# Altium PCB 控制板.PcbDoc (part 6 of 12)
Units mil, origin at the board's own origin, x right, y up, seen from the top; angles counter-clockwise.
Board outline 8150.4 x 2246.9 mil, 6 copper layers (TopLayer, MidLayer1, MidLayer2, MidLayer3, MidLayer4, BottomLayer); 1570 components, 853 nets, 4888 pads, 1859 vias.
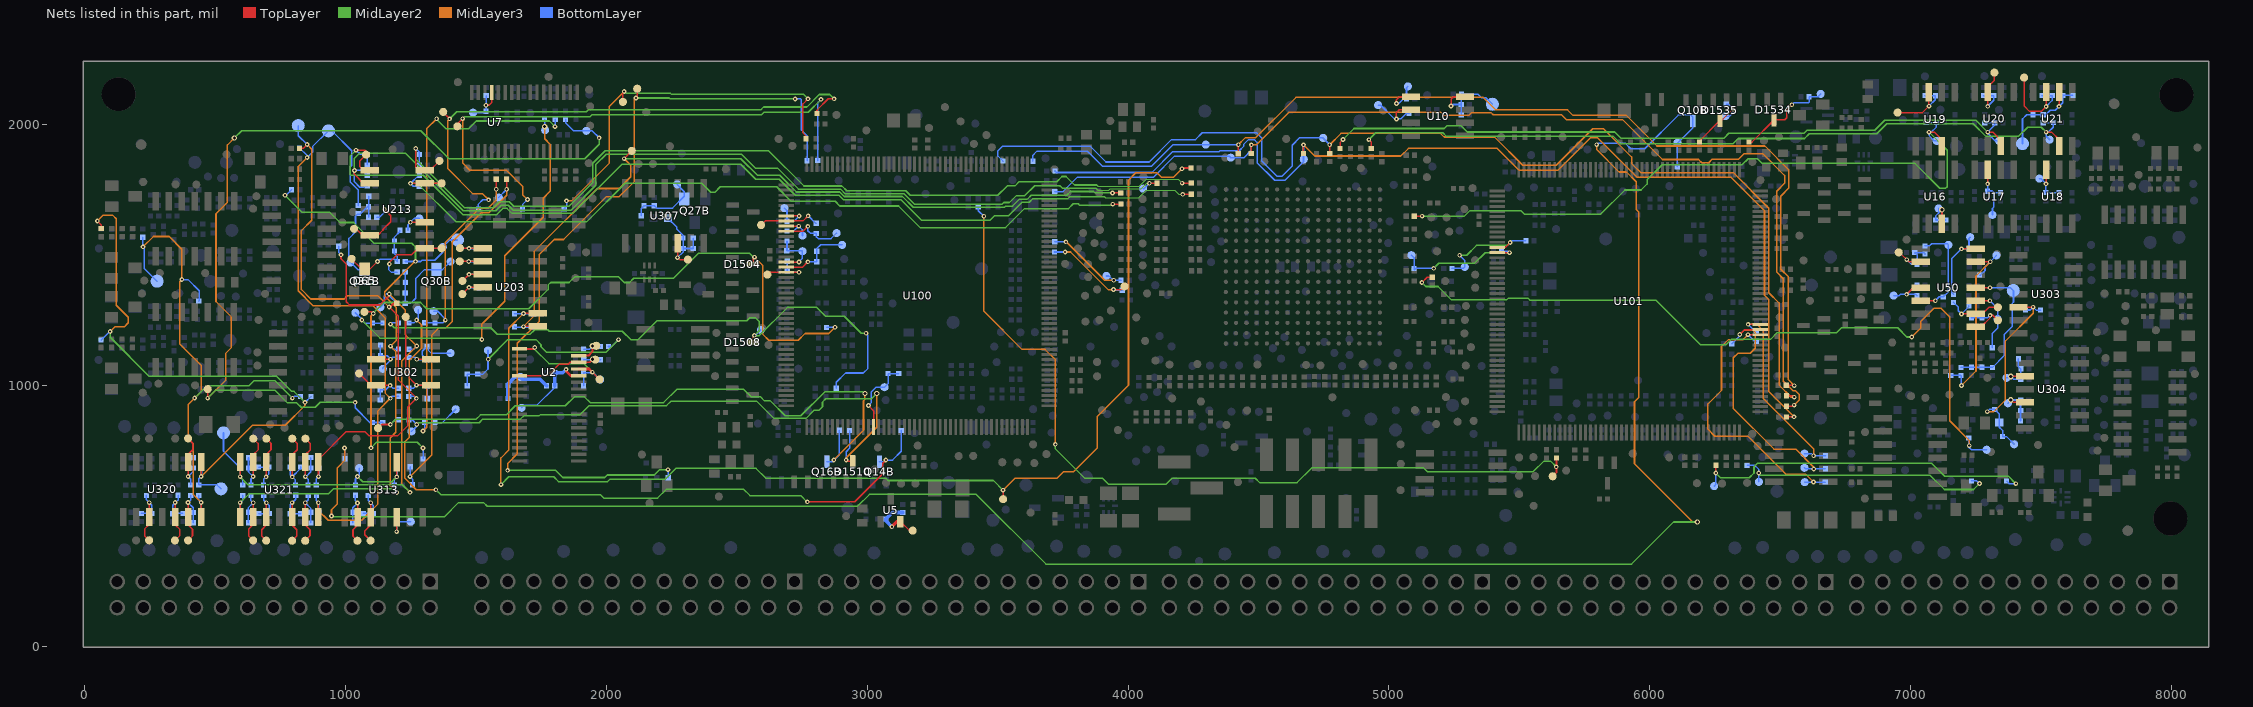
[diagram p10: the nets of this part, all layers, seen from the top]

## Via types
v1: diameter 18, hole 8, TopLayer to BottomLayer, tented both sides, 1737 vias
v2: diameter 20, hole 12, TopLayer to BottomLayer, tented both sides, 71 vias
v3: diameter 22, hole 12, TopLayer to BottomLayer, tented both sides, 51 vias

## Nets (pads, with @x,y where several pads share a name; then routed paths per layer and width w, separated by ;. In a path a pad name is that pad's centre, name@x,y a point inside that pad or via, vN(x,y) a via of type N, cw(c..) or ccw(c..) an arc to the next point about the centre after c; other vN are vias at no path point) (continued)
NetR290_1: C136.2 pad.350 R290.1 R291.1 U304.5 | length 192.7
  TopLayer w6: v3(7384.4,944.6) 7393.73,935.27 U304.5@7438.6,935.27
  BottomLayer w6: pad.350@7373.6,932.1 7386.1,944.6 C136.2@7422.4,944.6 7421.9,944.1 R290.1@7421.9,864.2
NetR293_1: C138.2 pad.354 R292.1 R293.1 U304.3 | length 194.4
  TopLayer w6: v3(7384.4,1034.6) 7384.93,1035.13 U304.3@7438.6,1035.13
  BottomLayer w6: pad.354@7368.2,1029.6 7389.1,1029.6 7394.9,1023.8 C138.2@7422.8,1023.8 7422.8,1063.7 7413.6,1072.9 R293.1@7413.6,1103
NetR295_1: pad.369 R57.2 R295.1 | length 1348.8
  TopLayer w6: v1(6253.6,664.6) 6254,665 R57.2@6254,694.3
  MidLayer2 w6: v1(6253.6,664.6) 6271.5,646.7 6381.9,646.7 6399.9,664.7 6399.9,688.4 6412.8,701.3 7081.9,701.3 7131.1,652.1 7375.7,652.1 v1(7404,623.8)
  BottomLayer w6: pad.369@6247.4,614.2 6253.6,620.4 v1(6253.6,664.6) ; R295.1@7368.6,633.8 7378.6,623.8 v1(7404,623.8)
NetR297_1: C134.2 C141.2 pad.351 R288.1 R297.1 R301.2 U303.5 | length 816.5
  TopLayer w6: U303.5@7414.4,1299.87 7469.67,1299.87 v1(7470.3,1300.5)
  MidLayer3 w6: v1(7294.4,900) 7319.8,900 7364,944.2 7364,1170.8 7470.3,1277.1 v1(7470.3,1300.5)
  BottomLayer w6: v1(7294.4,900) 7302.8,908.4 7322.7,908.4 7340.3,890.8 7340.3,840.5 7353.2,827.6 R297.1@7353.2,804.2 7368,804.2 pad.351@7397.4,774.8 ; R288.1@7440.7,1289.6 7459.4,1289.6 v1(7470.3,1300.5) 7481.6,1289.2 C134.2@7498.6,1289.2
NetR299_1: pad.370 R299.1 R347.2 | length 1016.1
  MidLayer2 w6: v1(6418.2,664.4) 6426.3,656.3 7075.2,656.3 7130.2,601.3 7241.5,601.3 v1(7264.4,624.2)
  BottomLayer w6: R347.2@6373.4,693.8 6403.2,693.8 6418.8,678.2 pad.370@6418.8,630.7 ; R299.1@7233.6,634.2 7254.4,634.2 v1(7264.4,624.2)
NetR302_1: pad.352 R76.2 R302.1 | length 2923.4
  TopLayer w6: v1(5126.7,1394.8) 5147.3,1415.4 R76.2@5166.3,1415.4
  MidLayer2 w6: v1(5126.7,1394.8) 5141.9,1379.6 5188.6,1379.6 5238.6,1329.6 5452.6,1329.6 5458.5,1335.5 5533.2,1335.5 5542.4,1326.3 6024.9,1326.3 6194.5,1156.7 6292.7,1156.7 6312.7,1176.7 6463.2,1176.7 6488.6,1202.1 6716.5,1202.1 6735.7,1221.3 6950.7,1221.3 6985.9,1186.1 v1(7004.9,1186.1)
  MidLayer3 w6: v1(7004.9,1186.1) 7039.9,1221.1 7039.9,1246.3 7090.3,1296.7 7116.5,1296.7 7150.3,1262.9 7150.3,864.6 7225.3,789.6 v1(7225.3,769.6)
  BottomLayer w6: R302.1@7223.6,799.2 7223.6,763.8 7233.6,753.8 pad.352@7291.9,753.8
NetR306_2: C143.2 R305.2 R306.2 R307.2 TP213.1 U50.11 | length 597.5
  TopLayer w6: U50.11@7250.2,1374.8 7304.7,1374.8 v1(7304.9,1375)
  BottomLayer w6: R307.2@7193.6,1069.6 C143.2@7314,1069.6 7359.4,1115 7359.4,1195.4 7389.4,1225.4 7389.4,1314.6 7394.9,1320.1 7394.9,1363.7 7383.6,1375 v1(7304.9,1375)
NetR307_1: pad.324 R307.1 R308.1 R316.2 U50.13 | length 759
  TopLayer w6: U50.13@7250.2,1474.67 7305.63,1474.67 v1(7305.7,1474.6)
  MidLayer3 w6: v1(7195.3,1000) 7251.1,1055.8 7251.1,1420 v1(7305.7,1474.6)
  BottomLayer w6: R308.1@7154,1038.8 7193.2,1038.8 7195.3,1036.7 v1(7195.3,1000) ; R316.2@7264.9,1423.4 7268.6,1423.4 7285.7,1440.5 7285.7,1455.1 pad.324@7329.4,1498.8
NetR309_2: pad.318 R309.2 U50.10 | length 255.1
  TopLayer w6: U50.10@7250.2,1324.87 7304.27,1324.87 v1(7304.4,1325)
  BottomLayer w6: v1(7304.4,1325) 7334,1295.4 7334,1220 7313.2,1199.2 R309.2@7313.2,1145
NetR312_2: C145.1 pad.284@7334.9,1250 R312.2 U50.8 | length 192.1
  TopLayer w6: U50.8@7250.2,1225 7271.1,1225 7305.3,1259.2 v1(7305.3,1269.2) 7315.7,1269.2 pad.284@7334.9,1250
  BottomLayer w6: R312.2@7234,1259.6 7295.7,1259.6 v1(7305.3,1269.2)
NetR313_2: pad.283@7334.9,1300 R313.2 R319.2 U50.9 | length 249.2
  TopLayer w6: v1(7195.3,1274.6) 7275.3,1274.6 7300.7,1300 pad.283@7334.9,1300
  BottomLayer w6: R319.2@7164.9,1318.8 7182.8,1300.9 7182.8,1287.1 v1(7195.3,1274.6) 7224.1,1303.4 R313.2@7224.1,1305
NetR319_1: pad.327 R317.1 R318.1 R319.1 U50.14 | length 363.1
  TopLayer w6: v1(7195.7,1524.2) 7196.1,1524.6 U50.14@7250.2,1524.6
  BottomLayer w6: R319.1@7164.9,1350 7157.4,1357.5 7157.4,1485.9 7196.5,1525 R317.1@7264.9,1525 ; R318.1@7224.4,1525 7224.4,1564.2 pad.327@7229,1568.8
NetR320_1: pad.325 R320.1 R327.1 U50.5 | length 394.6
  TopLayer w6: U50.5@7039.4,1324.87 v1@7095.17,1324.87
  BottomLayer w6: R327.1@7055.7,1535.5 7073.2,1535.5 7081.5,1543.8 7140.7,1543.8 pad.325@7145.3,1539.2 7145.3,1359.6 R320.1@7125.7,1340 7110.3,1340 v1(7095.3,1325)
NetR322_2: C158.2 pad.288@7494,1793.2 R322.2 U18.3 | length 172
  TopLayer w6: U18.3@7519.8,1827.1 7519.8,1773.5 v1(7519.9,1773.4)
  BottomLayer w6: pad.288@7494,1793.2 7500,1793.2 7519,1774.2 7519,1739.2 R322.2@7569.4,1739.2
NetR323_2: C164.1 pad.296@7314.4,1654.2 R323.2 U17.3 | length 220.5
  TopLayer w6: v1(7295.7,1773.4) U17.3@7295.7,1827.1
  BottomLayer w6: v1(7295.7,1773.4) 7295.7,1745.8 7313.2,1745.8 7319.8,1739.2 ; pad.296@7314.4,1654.2 7314.4,1679.5 7319.8,1684.9 7319.8,1739.2 ; R323.2@7344.9,1739.2 7319.8,1739.2
NetR325_2: C151.2 pad.316 R325.2 U50.4 | length 212.9
  TopLayer w6: v1(6985.3,1349.8) 7010.3,1374.8 U50.4@7039.4,1374.8
  BottomLayer w6: pad.316@6935.3,1345 6957.3,1345 6961.9,1349.6 7019.5,1349.6 R325.2@7024.9,1344.2 ; v1(6985.3,1349.8) 6985.3,1350.9 7019,1384.6 C151.2@7024.9,1384.6
NetR327_2: pad.273@6954.9,1510.5 R326.2 R327.2 R328.2 U50.2 | length 237.9
  TopLayer w6: pad.273@6954.9,1510.5 6958.1,1510.5 6993.93,1474.67 U50.2@7039.4,1474.67
  BottomLayer w6: v1(6985.5,1482.8) 7004.1,1464.2 R326.2@7025.3,1464.2 7025.3,1500.4 R328.2@7016.1,1509.6 7050.4,1509.6 R327.2@7055.7,1504.3
NetR329_2: C155.2 pad.297@7107.8,1678.8 R329.2 U16.3 | length 141.7
  TopLayer w6: v3(7120.3,1674.2) 7120.7,1673.8 U16.3@7120.7,1620.5
  BottomLayer w6: pad.297@7107.8,1678.8 7107.8,1661.4 7096.1,1649.7 C155.2@7096.1,1634.6 R329.2@7134.9,1634.6
NetR333_2: pad.284@7533.6,1942.5 R121.1 R332.2 R333.2 U21.7 | length 2948.2
  TopLayer w6: v1(4923.4,1942.8) 4932.8,1933.4 R121.1@4932.8,1908.8 ; v1(7520.3,1971.7) 7540.3,1971.7 7570.1,1941.9 U21.7@7570.1,1918.8
  MidLayer2 w6: v1(4923.4,1942.8) 4949.8,1969.2 5206.6,1969.2 5219.5,1956.3 5859.3,1956.3 5889.3,1926.3 6319,1926.3 6339.8,1947.1 6593.6,1947.1 6612,1965.5 6870.7,1965.5 6909,2003.8 7241.1,2003.8 7289.9,1955 7413.6,1955 7449.1,1990.5 7501.5,1990.5 v1(7520.3,1971.7)
  BottomLayer w6: R333.2@7509,2007.2 7547.4,2007.2 7547.4,1990.5 7528.6,1971.7 v1(7520.3,1971.7) 7520.3,1955.8 pad.284@7533.6,1942.5
NetR334_1: C172.2 C173.2 R333.1 R334.1 TP150.1 U21.2 | length 396.7
  TopLayer w6: v1(7569.4,2070.5) 7570.1,2071.2 U21.2@7570.1,2125.5
  BottomLayer w6: TP150.1@7429.4,1927.5 7429.4,2022.1 7445.7,2038.4 7518.2,2038.4 7535.7,2055.9 7554.8,2055.9 7583.6,2084.7 C173.2@7583.6,2112.2 C172.2@7622.8,2112.2
NetR335_1: C174.2 pad.280@7435.7,2180.5 R335.1 U21.3 | length 355.1
  TopLayer w6: pad.280@7435.7,2180.5 7435.7,2071.7 7456.5,2050.9 7501.2,2050.9 v1(7520.3,2070) U21.3@7520.3,2125.5
  BottomLayer w6: R335.1@7504,2111.7 7542.7,2111.7 7542.7,2092.4 v1(7520.3,2070)
NetR337_2: pad.289@7339.9,1938 R122.1 R336.2 R337.2 U20.7 | length 2827.6
  TopLayer w6: R122.1@4813,1909.2 4813,1932 v1(4824,1943) ; v1(7296.1,1971.7) 7315.7,1971.7 7345.5,1941.9 U20.7@7345.5,1918.8
  MidLayer2 w6: v1(4824,1943) 4866.5,1985.5 5212.4,1985.5 5222.4,1995.5 5277.4,1995.5 5300.8,1972.1 5866.5,1972.1 5890.2,1948.4 6284.9,1948.4 6303.6,1967.1 6591.9,1967.1 6603.6,1978.8 6863.2,1978.8 6901.1,2016.7 7250.7,2016.7 7295.7,1971.7 v1(7296.1,1971.7)
  BottomLayer w6: R337.2@7284.9,2006.8 7322.5,2006.8 7322.5,1998.1 v1(7296.1,1971.7) 7296.1,1967.1 7325.2,1938 pad.289@7339.9,1938
NetR339_2: C179.2 pad.279@7321.9,2200 R339.2 U20.3 | length 231.1
  TopLayer w6: v1(7296.1,2070.5) 7296.1,2144.7 7321.9,2170.5 pad.279@7321.9,2200
  BottomLayer w6: R339.2@7279.4,2111.8 C179.2@7319.4,2111.8 7319.4,2093.8 v1(7296.1,2070.5)
NetR341_1: pad.290@7100.3,1938 R68.1 R340.1 R341.1 U19.7 | length 2672
  TopLayer w6: R68.1@5097.6,1649.4 5127.6,1649.4 v1(5127.8,1649.6) ; v1(7071.1,1971.7) 7091.5,1971.7 7120.5,1942.7 U19.7@7120.5,1917.5
  MidLayer2 w6: v1(5127.8,1649.6) 5289.8,1649.6 5310.9,1670.7 5505.4,1670.7 5518.8,1657.3 5812.9,1657.3 5905.2,1749.6 5967.1,1749.6 5990.1,1772.6 5990.1,1788.6 6047.8,1846.3 6354.4,1846.3 6378.1,1870 6413.3,1870 6431.6,1851.7 7017.2,1851.7 7112.4,1756.5 7134.4,1756.5 7140.5,1762.6 7140.5,1902.3 v1(7071.1,1971.7)
  BottomLayer w6: R341.1@7060.3,2008 R340.1@7099.4,2008 7099.4,1991.2 7079.9,1971.7 v1(7071.1,1971.7) 7071.1,1958.3 7091.4,1938 pad.290@7100.3,1938
NetR343_1: C184.2 pad.278@6950.7,2046.7 R343.1 U19.3 | length 273.3
  TopLayer w6: pad.278@6950.7,2046.7 7046.1,2046.7 v1(7070.7,2071.3) U19.3@7070.7,2124.2
  BottomLayer w6: R343.1@7055.7,2111.7 7095.3,2111.7 7095.3,2095.9 v1(7070.7,2071.3)
NetR344_2: pad.371 R344.2 R353.1 U101.16 | length 1116.8
  TopLayer w6: v1(6377.1,1195) 6377.22,1194.88 U101.16@6424,1194.88
  MidLayer3 w6: v1(6377.1,1195) 6358.4,1176.3 6302,1176.3 6275.3,1149.6 6275.3,981.3 6223.2,929.2 6223.2,832.5 6249.8,805.9 6377.3,805.9 6524,659.2 6599.2,659.2 v1(6628.4,630)
  BottomLayer w6: v1(6377.1,1195) 6402.1,1170 R353.1@6409.2,1170 ; pad.371@6594.4,629.4 6595,630 R344.2@6673.2,630
NetR345_2: pad.372 R345.2 R389.1 U101.17 | length 1049.6
  TopLayer w6: v1(6345.3,1195.5) 6364.36,1214.56 U101.17@6424,1214.56
  MidLayer3 w6: v1(6345.3,1195.5) 6362.8,1213 6394.4,1213 6404.4,1203 6404.4,1142.5 6386.1,1124.2 6338.6,1124.2 6320.7,1106.3 6320.7,912.1 6476.5,756.3 6559.9,756.3 6629.2,687 v1(6629.2,680.3)
  BottomLayer w6: R389.1@6314.4,1160 6315.7,1160 6345.3,1189.6 v1(6345.3,1195.5) ; pad.372@6593.6,684.6 6597.3,680.9 R345.2@6673.7,680.9
NetR346_2: pad.373 R346.2 R354.1 U101.18 | length 800.2
  TopLayer w6: v1(6377.4,1234.6) 6377.75,1234.25 U101.18@6424,1234.25
  MidLayer3 w6: v1(6377.4,1234.6) 6411.2,1234.6 6434.9,1210.9 6434.9,950.9 6628.6,757.2 v1(6628.6,730.9)
  BottomLayer w6: v1(6377.4,1234.6) 6402,1210 R354.1@6409,1210 ; pad.373@6593.6,739.2 6620.3,739.2 6629,730.5 R346.2@6674.1,730.5
NetR365_2: D1534.3 pad.276@6655.7,2118.2 R44.1 R365.2 | length 382.2
  TopLayer w6: R44.1@6380.3,1933.4 6392.8,1933.4 6478,2018.6 6517.8,2018.6 6525.7,2026.5 6525.7,2056.9 v1(6545.3,2076.5)
  BottomLayer w6: v1(6545.3,2076.5) 6552.2,2083.4 6608.2,2083.4 6611.1,2086.3 R365.2@6611.1,2107.5 6645,2107.5 pad.276@6655.7,2118.2
NetR366_1: D1535.3 pad.274@6290.3,2032.8 R47.1 R366.1 | length 267
  TopLayer w6: R47.1@6191.1,1933.8 6191.1,1937.8 6269.1,2015.8 6275.4,2015.8 v1(6319.9,2060.3)
  BottomLayer w6: pad.274@6290.3,2032.8 6305.6,2032.8 6320.3,2047.5 6320.3,2060.4 6301.5,2079.2 R366.1@6293.6,2079.2
NetR413_1: C248.1 R413.1 R414.2 TP8.1 U10.4 | length 339.6
  TopLayer w6: v1(5238.6,2071.5) 5238.6,2097.6 5248.4,2107.4 U10.4@5291.9,2107.4
  BottomLayer w6: v1(5238.6,2071.5) 5244.6,2077.5 C248.1@5277.4,2077.5 ; R413.1@5277.8,2037.5 5277.8,2117.2 5341.5,2117.2 5355.3,2103.4 5371.9,2103.4 TP8.1@5396.9,2078.4
NetR434_2: pad.192@5291.1,1454.6 R407.1 R434.2 U101.100 | length 438.6
  TopLayer w6: U101.100@5415.2,1529.52 5446.22,1529.52 v1(5465.1,1548.4)
  MidLayer2 w6: v1(5271.3,1499.6) 5298.2,1499.6 5335.7,1537.1 5453.8,1537.1 v1(5465.1,1548.4)
  BottomLayer w6: R434.2@5241.9,1449.2 5285.7,1449.2 5290.3,1453.8 5290.3,1480.6 v1(5271.3,1499.6) ; v1(5465.1,1548.4) 5471.7,1555 R407.1@5525.3,1555
NetR450_1: pad.190@5086.5,1499.8 R430.2 R450.1 U101.101 | length 532.4
  TopLayer w6: U101.101@5415.2,1509.84 5461.96,1509.84 v1(5462.4,1509.4)
  MidLayer2 w6: v1(5172.1,1449.4) 5191.5,1468.8 5328.6,1468.8 5369.2,1509.4 v1(5462.4,1509.4)
  BottomLayer w6: pad.190@5086.5,1499.8 5098.2,1488.1 5098.2,1443.8 5103.8,1449.4 v1(5172.1,1449.4) ; R430.2@5431.9,1515 5456.8,1515 v1(5462.4,1509.4)
NetR455_2: pad.156@4959,2075 R455.2 U10.6 | length 234.5
  TopLayer w6: v1(5029.2,2022.1) 5029.2,2047.1 5039.7,2057.6 U10.6@5085.2,2057.6
  BottomLayer w6: pad.156@4959,2075 4969.1,2075 5022,2022.1 5045.3,2022.1 5066.6,2043.4 R455.2@5077.4,2043.4
NetR456_2: pad.158@5072.8,2146.7 R456.2 U10.5 | length 170.6
  TopLayer w6: v1(5029.2,2081.3) 5029.2,2095.3 5041.3,2107.4 U10.5@5085.2,2107.4
  BottomLayer w6: v1(5029.2,2081.3) 5037.6,2081.3 5055.3,2099 5067.6,2099 5067.6,2141.5 pad.158@5072.8,2146.7
NetR485_1: pad.164@3986.5,1380 R469.2 R485.1 | length 368.4
  TopLayer w6: v1(3944,1368) 3974.5,1368 pad.164@3986.5,1380
  MidLayer3 w6: v1(3759,1512.1) 3779.5,1512.1 3923.6,1368 v1(3944,1368)
  BottomLayer w6: R485.1@3718.2,1512.1 v1(3759,1512.1) ; v1(3944,1368) 3947,1365 R469.2@3978.2,1365
NetR486_1: pad.109@3916.9,1420 R470.2 R486.1 | length 350.6
  MidLayer3 w6: v1(3761.5,1550.9) 3763.6,1550.9 3910.7,1403.8 v1(3945.3,1403.8)
  BottomLayer w6: R486.1@3718.8,1550.9 v1(3761.5,1550.9) ; pad.109@3916.9,1420 3926.8,1420 3943.4,1403.4 R470.2@3973.2,1403.4
NetR489_1: pad.147@4394,1873.6 R33.1 R127.1 R489.1 | length 4086.2
  TopLayer w6: R127.1@4472.6,1889.2 4472.6,1922.8 v1(4472.8,1923) ; R33.1@6524.4,920.5 6549.7,920.5 v1(6553.8,924.6)
  MidLayer3 w6: v1(4472.8,1923) 4492.4,1923 4616.5,2047.1 5199.5,2047.1 5211.1,2035.5 5306.6,2035.5 5317.8,2046.7 5392,2046.7 5400.3,2038.4 5662.2,2038.4 5682.2,2018.4 5897.3,2018.4 6049,1866.7 6187.3,1866.7 6199.6,1854.4 6226.1,1854.4 6239,1867.3 6340.3,1867.3 6361.4,1888.4 6434.4,1888.4 6517.1,1805.7 6517.1,1775.2 6486.9,1745 6486.9,1435 6512.4,1409.5 6512.4,1016.9 6548.6,980.7 6558.6,980.7 6573.4,965.9 6573.4,944.2 v1(6553.8,924.6)
  BottomLayer w6: R489.1@3719.4,1743.8 3750.7,1743.8 3806.1,1799.2 4098.2,1799.2 4178.6,1879.6 4388,1879.6 4393.8,1873.8 4444.4,1873.8 4472.8,1902.2 v1(4472.8,1923)
NetR491_1: pad.152@4673.8,1867.5 R34.1 R124.1 R491.1 | length 4115.9
  TopLayer w6: R124.1@4672.6,1889.4 4672.6,1922.8 v1(4672.8,1923) ; R34.1@6524.6,879.8 6553.2,879.8 v1(6553.4,880)
  MidLayer3 w6: v1(4672.8,1923) 4715.8,1880 5046.1,1880 5075.3,1909.2 5415.3,1909.2 5499.9,1824.6 5647.3,1824.6 5772.7,1950 5800.3,1950 5951.5,1798.8 6311.9,1798.8 6440.3,1670.4 6440.3,1346.3 6456.9,1329.7 6456.9,977.2 6553.4,880.7 v1(6553.4,880)
  BottomLayer w6: R491.1@3719.9,1822.5 3725.7,1816.7 4091.5,1816.7 4171.9,1897.1 4349.8,1897.1 4353.2,1900.5 4426.1,1900.5 4444.4,1918.8 4444.4,1925.9 4461.5,1943 4483.6,1943 4494.9,1931.7 4494.9,1854.6 4562.4,1787.1 4601.9,1787.1 4672.8,1858 v1(4672.8,1923)
NetR519_2: pad.237@5628.2,652.1 R62.1 R519.2 | length 3226.9
  TopLayer w6: pad.237@5628.2,652.1 5642.8,666.7 R62.1@5642.8,722.5
  MidLayer2 w6: v1(3721.5,774.6) 3721.5,757.1 3834.8,643.8 3903,643.8 3925.9,620.9 4144.9,620.9 4168.2,644.2 4488.2,644.2 4504.4,628 4648.2,628 4704.4,684.2 5133.4,684.2 5147.6,670 5554,670 5594.5,710.5 5619.6,710.5 v1(5641.9,688.2)
  MidLayer3 w6: v1(3447.4,1649.2) 3447.4,1285 3593.8,1138.6 3682.1,1138.6 3721.5,1099.2 v1(3721.5,774.6)
  BottomLayer w6: R519.2@3426.1,1685.1 3426.1,1670.5 v1(3447.4,1649.2)
NetR521_1: pad.146@4298.2,1923.8 R31.1 R128.1 R521.1 | length 4103.2
  TopLayer w6: R128.1@4422.4,1889 4422.4,1922.8 v1(4422.8,1923.2) ; R31.1@6524,1000.9 6552.9,1000.9 v1(6554.2,999.6)
  MidLayer3 w6: v1(4422.8,1923.2) 4448.8,1949.2 4488.2,1949.2 4643.6,2104.6 5361.5,2104.6 5409.4,2056.7 5684.9,2056.7 5704.5,2037.1 5909.5,2037.1 6028.2,1918.4 6441.9,1918.4 6533.6,1826.7 6533.6,1756.9 6502.8,1726.1 6502.8,1446.3 6531.9,1417.2 6531.9,1021.9 v1(6554.2,999.6)
  BottomLayer w6: R521.1@3635.3,1859.6 3635.3,1883.4 3649.4,1897.5 3845.3,1897.5 3902.8,1840 4089.4,1840 4173.2,1923.8 4422.2,1923.8 v1(4422.8,1923.2)
NetR524_1: pad.154@4748.2,1949.4 R32.1 R123.1 R524.1 | length 4425.1
  TopLayer w6: v1(4773,1923.2) 4773.2,1923 R123.1@4773.2,1890 ; R32.1@6524.4,960.5 6549,960.5 v1(6554.2,955.3)
  MidLayer3 w6: v1(4773,1923.2) 4816.5,1966.7 5198.2,1966.7 5211.9,1953 5404.8,1953 5513.6,1844.2 5641.5,1844.2 5781.5,1984.2 5823.2,1984.2 5930.7,1876.7 5930.7,1851.3 5966.5,1815.5 6321.5,1815.5 6456.9,1680.1 6456.9,1355.9 6496.1,1316.7 6496.1,1001.7 6542.5,955.3 v1(6554.2,955.3)
  BottomLayer w6: R524.1@3520.7,1860.5 3501.1,1880.1 3501.1,1900.5 3517.3,1916.7 3855.7,1916.7 3915.3,1857.1 4081.1,1857.1 4167,1943 4258.6,1943 4284.4,1968.8 4492.3,1968.8 4513.2,1947.9 4513.2,1860.1 4570.8,1802.5 4590.2,1802.5 4629.4,1841.7 4629.4,1921.2 4657.8,1949.6 4746.6,1949.6 v1(4773,1923.2)
NetR540_1: NC6.1 pad.124@3066.3,993.6 R540.1 U100.58 | length 304.3
  TopLayer w6: v1(3004.6,923.4) 3024.31,903.69 U100.58@3024.31,840.8
  BottomLayer w6: v1(3004.6,923.4) 3016.1,934.9 3016.1,975.9 3033.8,993.6 pad.124@3066.3,993.6 3079.9,1007.2 R540.1@3079.9,1045.9 NC6.1@3120.7,1045.9
NetR542_1: pad.129@3174.4,443.8 R542.1 R543.1 U5.2 | length 215.8
  TopLayer w6: U5.2@3126.7,477.5 3128,477.5 3161.7,443.8 pad.129@3174.4,443.8
  TopLayer w14: v1(3094.6,458.6) 3113.5,477.5 U5.2@3126.7,477.5
  BottomLayer w14: v1(3094.6,458.6) 3071.9,481.3 R543.1@3071.9,488.8 3096.1,513 R542.1@3136.5,513
NetR563_1: pad.94@2904,1539.2 R563.1 R564.1 U100.17 | length 280.8
  TopLayer w6: U100.17@2689,1453.84 2752.04,1453.84 v1(2772.4,1474.2)
  BottomLayer w6: v1(2772.4,1474.2) R563.1@2806.9,1474.2 2806.9,1525 2821.9,1540 2903.2,1540 pad.94@2904,1539.2
NetR565_1: pad.92@2882.4,1584.6 R565.1 U100.10 | length 247.1
  TopLayer w6: U100.10@2689,1591.63 2753.53,1591.63 v1(2772.4,1610.5)
  BottomLayer w6: v1(2772.4,1610.5) 2772.4,1593.4 2782.4,1583.4 R565.1@2804.9,1583.4 2804.9,1570.5 2812,1563.4 2861.2,1563.4 pad.92@2882.4,1584.6
NetR566_1: pad.128@2593.2,1615.5 R566.1 U100.8 | length 237.5
  TopLayer w6: pad.128@2593.2,1615.5 2608.7,1631 2754.1,1631 v1(2773.6,1650.5)
  BottomLayer w6: v1(2773.6,1650.5) 2802,1622.1 R566.1@2804.4,1622.1
NetR573_1: pad.100@2617.4,1425.5 R573.1 R574.1 U100.18 | length 209.1
  TopLayer w6: pad.100@2617.4,1425.5 2626.05,1434.15 v1(2738.4,1434.2) v1(2738.4,1434.2)
  BottomLayer w6: R574.1@2693.2,1476.7 2693.2,1439.6 2698.6,1434.2 v1(2738.4,1434.2)
NetR576_1: pad.93@2751.9,1515 R575.1 R576.1 U100.16 | length 192.5
  TopLayer w6: U100.16@2689,1473.52 2737.92,1473.52 v1(2738.2,1473.8)
  BottomLayer w6: R576.1@2692.4,1553.8 2692.4,1517.2 2749.7,1517.2 2751.1,1515.8 2751.1,1486.7 v1(2738.2,1473.8)
NetR577_1: pad.91@2751.9,1574.6 R577.1 U100.9 | length 143.3
  TopLayer w6: U100.9@2689,1611.32 2736.98,1611.32 v1(2737.4,1610.9)
  BottomLayer w6: R577.1@2692.8,1592.1 2718.6,1592.1 v1(2737.4,1610.9) 2751.9,1596.4 pad.91@2751.9,1574.6
NetR578_1: pad.89@2682.6,1680 R578.1 U100.7 | length 159.2
  TopLayer w6: U100.7@2689,1650.69 2738.31,1650.69 v1(2739,1650)
  BottomLayer w6: pad.89@2682.6,1680 2692.4,1670.2 R578.1@2692.4,1630 2719,1630 v1(2739,1650)
NetR590_1: C365.2 C367.1 pad.101@2312.4,1483 R590.1 R591.1 R592.2 U307.12 | length 360.6
  TopLayer w6: U307.12@2272.93,1545.9 2272.93,1490.63 2280.57,1483 pad.101@2312.4,1483
  BottomLayer w6: C367.1@2235.7,1641.7 2269.9,1607.5 2269.9,1600 2294.4,1575.5 2294.4,1512.1 v1(2272.8,1490.5) ; C365.2@2294.4,1525.5 2332.3,1525.5 2333.2,1526.4 R591.1@2333.2,1565.5
NetR593_2: C369.2 pad.72@2271.5,1770.9 Q27B.1 R593.2 R594.1 | length 276.1
  BottomLayer w6: R593.2@2134,1651.2 2134,1678.8 2144.9,1689.7 C369.2@2183.6,1689.7 2192.8,1680.5 2253.6,1680.5 2299,1725.9 2299,1743.4 pad.72@2271.5,1770.9
NetR595_2: pad.119@2118.2,2138 R589.1 R595.2 | length 3274
  TopLayer w6: v1(2113.2,2102.5) 2118.2,2107.5 pad.119@2118.2,2138
  MidLayer2 w6: v1(1621.5,675) 1805.3,675 1832.8,647.5 1993.5,647.5 2003.1,657.1 2183.1,657.1 2203.5,677.5 v1(2236.5,677.5) ; v1(2113.2,2102.5) 2241.6,2102.5 2245.3,2098.8 v1(2723.6,2098.8) v1@2719.9,2102.5
  MidLayer3 w6: v1(1621.5,675) 1621.5,700.9 1658.6,738 1658.6,1161.9 1742.4,1245.7 1742.4,1502.2 1800.2,1560 1835.7,1560 1998.7,1723 2047.8,1723 2107.4,1782.6 2107.4,2096.7 v1(2113.2,2102.5)
  BottomLayer w6: v1(2236.5,677.5) 2237.4,676.6 R595.2@2237.4,646.7 ; v1(2723.6,2098.8) 2744.9,2098.8 2747.8,2095.9 2747.8,1979.6 2769.4,1958 R589.1@2769.4,1861.7
NetR600_1: C374.1 pad.105@1957.4,1099.2 R600.1 U2.5 U2.14 | length 371.7
  TopLayer w6: U2.5@1666.5,1037.99 1774.19,1037.99 1817.9,1081.7 1854,1081.7 1861.54,1089.24 U2.14@1894,1089.24 1935.74,1089.24 v3(1947.4,1100.9)
  BottomLayer w6: C374.1@1912.8,1099.6 1977,1099.6 R600.1@1977.4,1099.2
NetR601_1: C375.1 pad.106@1961.1,1152.5 R601.1 U2.15 | length 164.8
  TopLayer w8: U2.15@1894,1114.87 1931.37,1114.87 1946.5,1130 v3(1946.5,1151.3) 1947.7,1152.5 pad.106@1961.1,1152.5
  BottomLayer w6: C375.1@1912.4,1139.6 1934.8,1139.6 v3(1946.5,1151.3) 1974.8,1151.3 R601.1@1976.5,1149.6
NetR602_2: C373.1 pad.57@1975.7,1022.5 pad.104@1974,1023.8 R602.2 U2.1 U2.13 | length 545.5
  TopLayer w6: v1@1943.6,1053.8 1944,1053.8 pad.104@1974,1023.8
  TopLayer w8: U2.1@1666.5,1140.5 1719.9,1140.5 v1(1725.3,1145.9)
  TopLayer w10: U2.13@1894,1063.61 1933.79,1063.61 v1@1943.6,1053.8
  MidLayer2 w6: v1(1725.3,1145.9) 1725.3,1138.4 1779.5,1084.2 1913.2,1084.2 v1(1946.1,1051.3)
  BottomLayer w6: R602.2@1912.7,999.2 1912.7,1048.9 1949.3,1048.9 pad.57@1975.7,1022.5
NetR603_2: C376.1 pad.58@1674.9,914.6 R603.2 U2.12 | length 327
  TopLayer w10: v1(1845.7,1062.1) 1845.7,1055.1 1862.81,1037.99 U2.12@1894,1037.99
  BottomLayer w6: pad.58@1674.9,914.6 1685.3,925 1734.4,925 1801.9,992.5 R603.2@1801.9,999.2
  BottomLayer w14: R603.2@1801.9,999.2 1801.9,1048.3 1802.4,1048.8 1832.4,1048.8 v1(1845.7,1062.1)
NetR604_1: pad.56@1670.3,1033 R603.1 R604.1 R605.1 | length 229.7
  BottomLayer w14: R604.1@1622.4,950 1622.4,1006.3 1649.1,1033 pad.56@1670.3,1033 1678.7,1024.6 1745.3,1024.6 R603.1@1770.7,999.2
NetR612_2: pad.114@2097.4,1900 R150.1 R608.1 R612.2 U203.1 | length 3054.5
  TopLayer w6: v1(1681.9,1225.9) 1682.7,1226.7 U203.1@1736.9,1226.7 ; v1(2068,1869.8) 2068,1870.6 pad.114@2097.4,1900 ; v1(3940.7,1738.4) R150.1@3971.7,1738.4
  MidLayer2 w6: v1(2068,1869.8) 2515.5,1869.8 2579,1806.3 2664.8,1806.3 2729,1742.1 2894.7,1742.1 2912,1724.8 3135.1,1724.8 3176.7,1683.2 3526.2,1683.2 3531,1688 3557.2,1688 3584,1714.8 3614.2,1714.8 3629,1729.6 3764.8,1729.6 3779.2,1744 3868,1744 3873.6,1738.4 v1(3940.7,1738.4)